# Altium PCB BB.PcbDoc (part 9 of 9)
Units mil, origin at the board's own origin, x right, y up, seen from the top; angles counter-clockwise.
Board outline 6860 x 3500 mil, 6 copper layers (Component Side, Ground Plane (GND), Inner Layer 1, Inner Layer 2, Power Plane (VCC), Solder Side), stack 51.068 mil thick; 496 components, 500 nets, 2194 pads, 1226 vias.
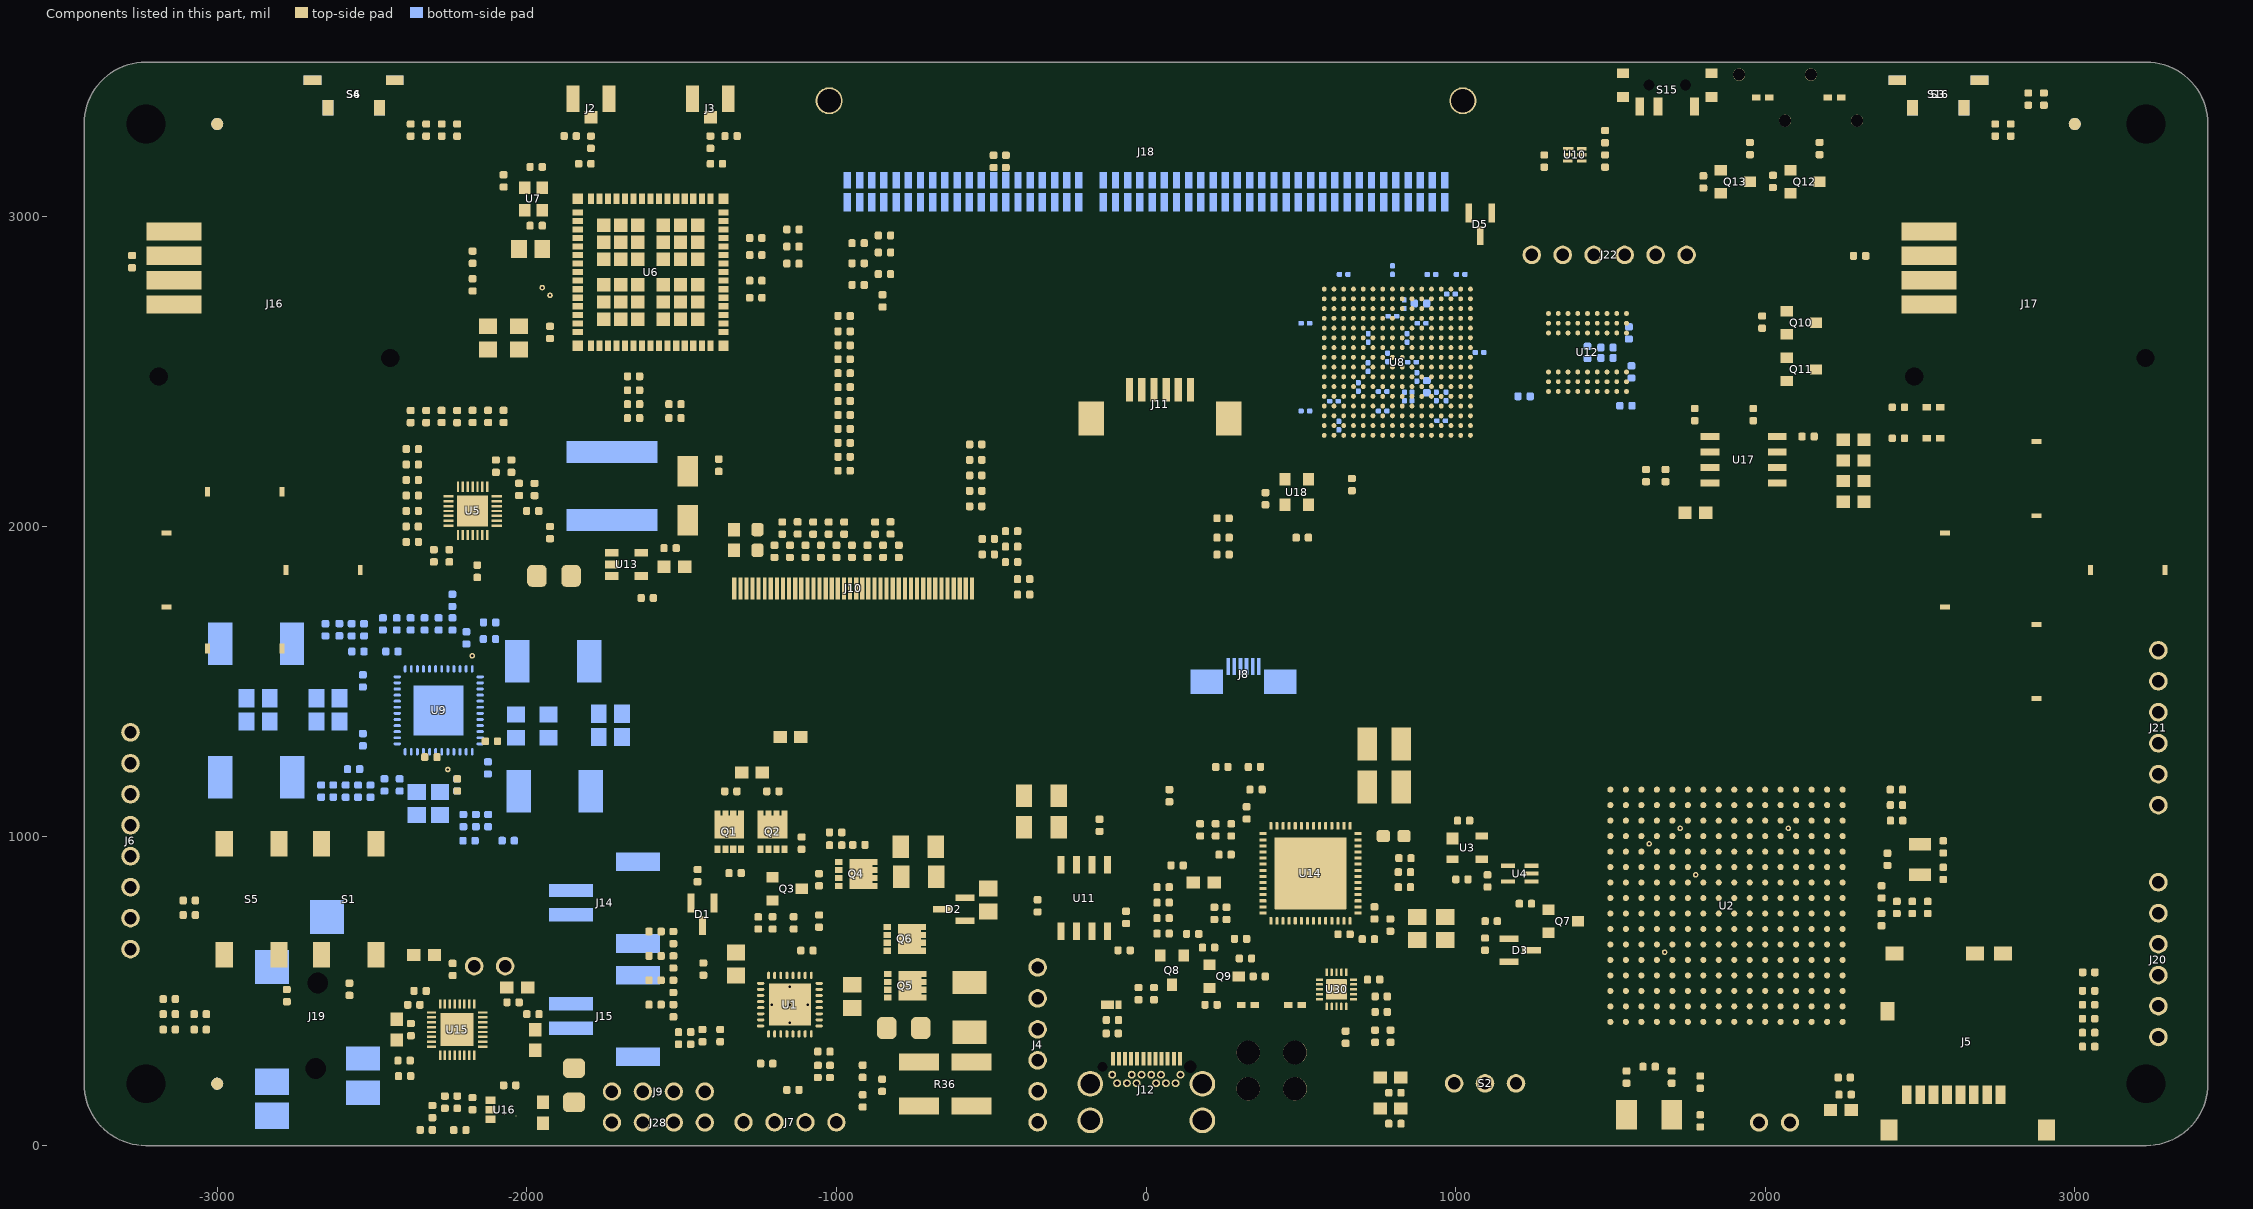
[diagram p13: the components of this part, seen from the top]

## Silkscreen, mask and mechanical layers (free items; w line width, h text height) (continued)
Mechanical 15:
  lines w5: -3035.04,-0.04 -3035.04,314.96 -3350,314.96 -3350,0 -3035.04,0 ; -3350,3185.04 -3094.09,3185.04 -3035.04,3244.09 -3035.04,3500 -3350,3500 -3350,3185.04 ; 3035.04,0 3035.04,280 3350,280 3350,125 3350,0 3035.04,0 ; 3035.04,3244.09 3094.09,3185.04 3350,3185.04 3350,3500 3035.04,3500 3035.04,3244.09

## Text inside footprints (layer, text, board x,y; h text height)
J5: Top Overlay "Front" at 2849.67,55 h40 r180
J14: Bottom Overlay "NEG" at -2002.82,666.71 h30 r270; Bottom Overlay "POS" at -2002.82,824.19 h30 r270
J15: Bottom Overlay "NEG" at -2002.82,300.52 h30 r270; Bottom Overlay "POS" at -2002.82,458 h30 r270
J16: Top Overlay "G" at -3336.03,2695.96 h60; Top Overlay "VCC" at -3300,2825 h60 r90; Top Overlay "X" at -3337,2935 h60; Top Overlay "Y" at -3335,2769 h60
J17: Top Overlay "Y" at 2352.91,2776.56 h60; Top Overlay "X" at 2352.91,2933.96 h60; Top Overlay "VCC" at 2343,2856 h60; Top Overlay "G" at 2352.91,2695.96 h60
J18: Mechanical 1 "J1" at -19.57,3348.54 h30 r180
M1: Mechanical 11 "LED" at 2182.63,3366.3 h60
M2: Mechanical 11 "LED" at 1950.63,3366.3 h60